# Altium PCB Science.PcbDoc (part 2 of 2)
Units mil, origin at the board's own origin, x right, y up, seen from the top; angles counter-clockwise.
Board outline 3390 x 2510 mil, 4 copper layers (Top Layer, Ground, Power, Bottom Layer), stack 23.756 mil thick; 120 components, 71 nets, 397 pads, 310 vias.
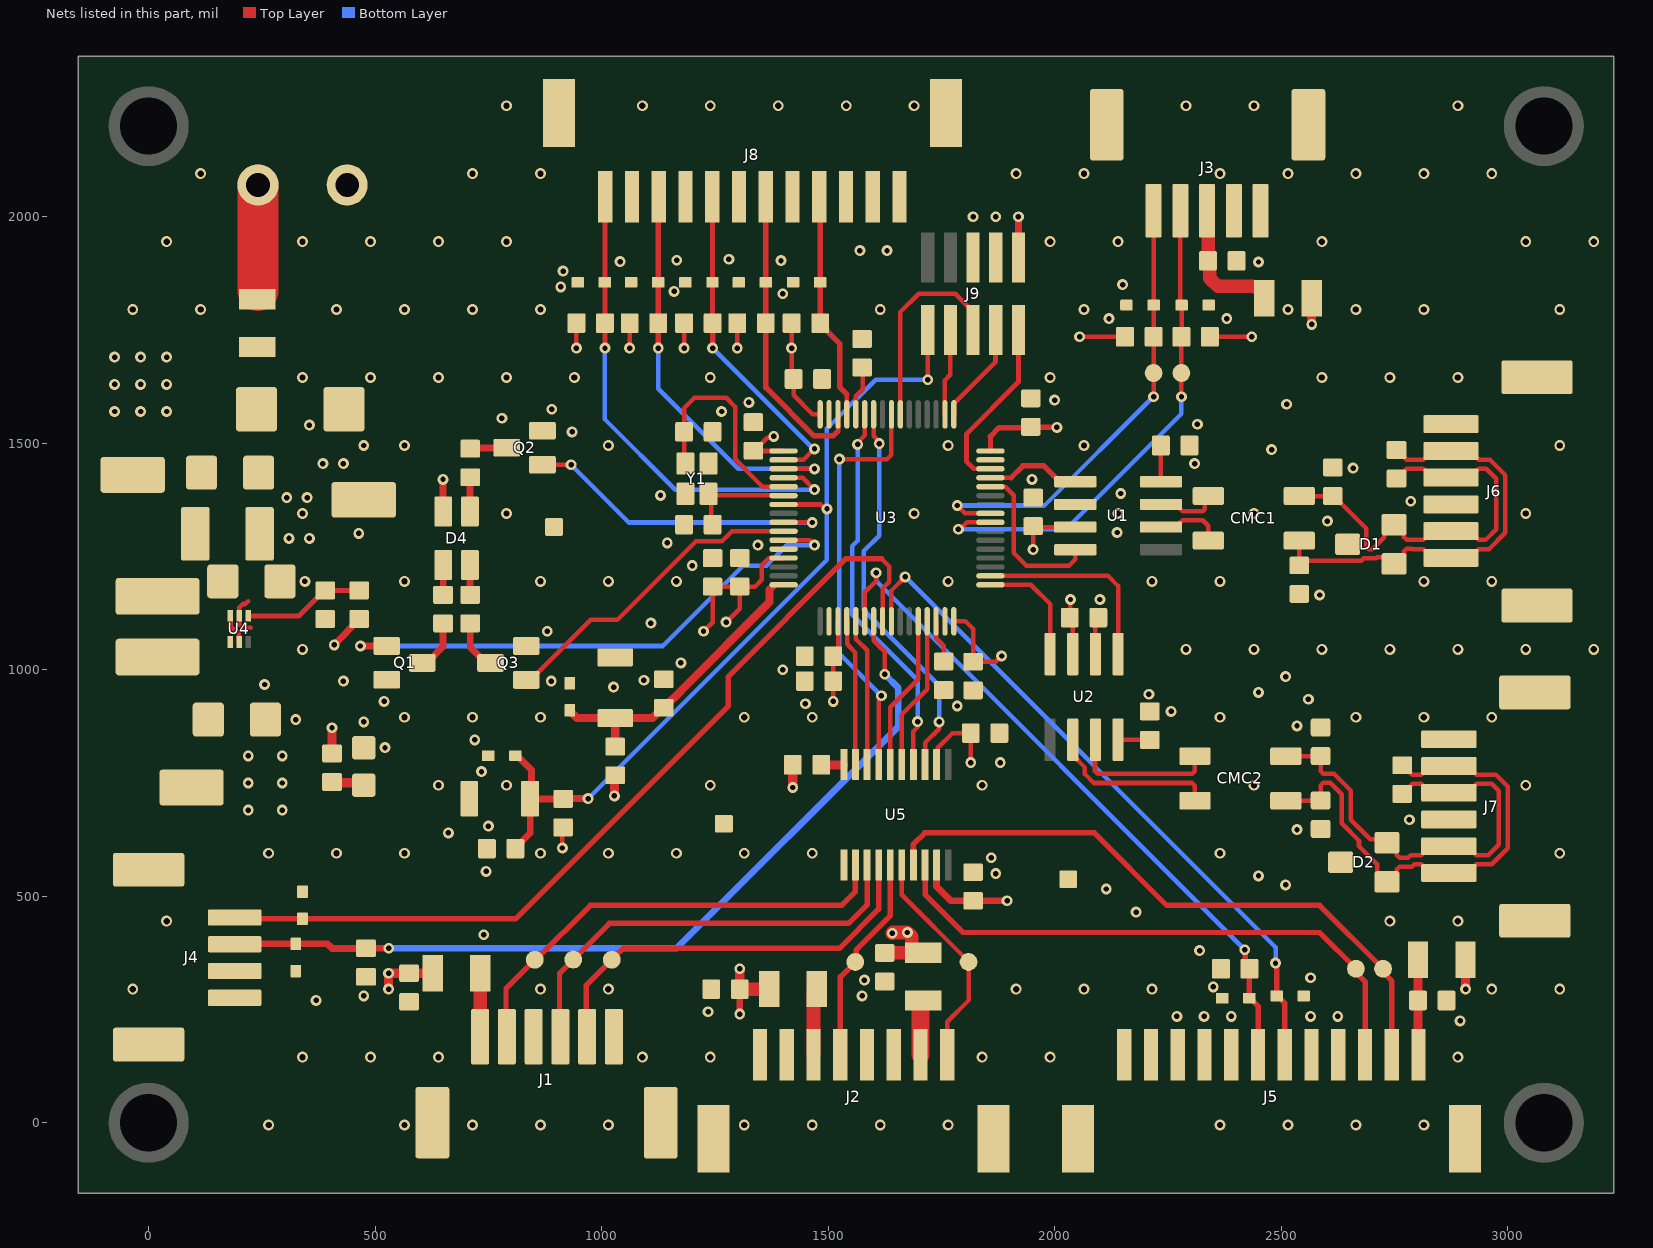
[diagram p4: the nets of this part, all layers, seen from the top]

## Part data (continued)
U3: library part MCU_STM32F446RET6, "ARM Cortex-M4 32-bit MCU+FPU, 512 KB Flash, 128 KB Internal RAM, 50 I/Os, 64-Pin LQFP, -40 to 85 degC, Tray", I/Os (High Current)=50, Operating Frequency(F) (Processor speed) (MHz)=180, Package Description=LQFP64, Package Reference="64-Pin Low-profile Quad Flat Package, Body 10 x 10 mm, Pitch 0.5 mm", Supplier Part Number 1=497-15376-ND, Supply Voltage(Vcc) min (V)=1.7, ComponentLink1Description="Manufacturer URL", ComponentLink1URL=http://www.st.com/, ComponentLink2Description=Datasheet, ComponentLink2URL=http://www.st.com/st-web-ui/static/active/en/resource/technical/document/datasheet/DM00141306.pdf, Core="ARM Cortex-M4", D/A Converter=2, DatasheetVersion="Rev. 6", FLASH Size (Prog) (kB)=512, Internal RAM Size (kB)=128, Mounting Technology="Surface Mount", Packing=Tray, Supplier 1=Digi-Key
U4: "IC REG BUCK ADJUSTABLE 2A SOT563", Manufacturer 1="Texas Instruments", Package="SOT-563, SOT-666", Supplier Part Number 1=296-50407-1-ND, Switching Frequency=1.5MHz, Iout=1A, Iout (Max)=2A, Manufacturer Part Number 1=TLV62568ADRLR, Supplier 1=Digi-Key, Vin (Max)=5.5V, Vin (Min)=2.5V, Vout (Max)=5.5V, Vout (Min/Fixed)=0.6V
U5: library part IC_LVL_SHIFTER_8_CH, "IC BIDIRECTIONAL LEVEL SHIFTER 8 CHANNEL 20TSSOP", Manufacturer="Texas Instruments", Supplier Part Number 1=296-23011-1-ND, ComponentLink1Description="New link", Manufacturer Part Number 1=TXS0108EPWR, Supplier 1=Digi-Key
Y1: "CRYSTAL 25.0000MHZ 12PF SMD", Case/Package=SMD/SMT, ESR (Equivalent Series Resistance)=80R, Frequency=25MHz, Frequency Stability=15ppm, Frequency Tolerance=10ppm, Load Capacitance=12pF, Manufacturer 1="Kyocera AVX", Manufacturer Part Number 1=CX2520DB25000H0FLJC1, Max Operating Temperature=85°C, Min Operating Temperature=-30°C, Ratings=AEC-Q200, Supplier Part Number 1=1253-1724-1-ND, Height=0.022inch, Length=0.098inch, Mount="Surface Mount", Supplier 1=Digi-Key, Width=0.079inch

## Via types
v1: diameter 24, hole 12, Top Layer to Bottom Layer, tented both sides, 174 vias
v2: diameter 24, hole 14, Top Layer to Bottom Layer, tented both sides, 136 vias

## Nets (pads, with @x,y where several pads share a name; then routed paths per layer and width w, separated by ;. In a path a pad name is that pad's centre, name@x,y a point inside that pad or via, vN(x,y) a via of type N, cw(c..) or ccw(c..) an arc to the next point about the centre after c; other vN are vias at no path point)
3V3: C1.1 C4.1 C11.2 C12.2 C14.2 C15.2 C16.2 C17.2 C18.2 C19.2 C20.2 C21.2 C24.2 D4.4 F2.2 J9.1 L1.2 R5.2 R6.2 R9.2 R10.2 R11.2 R12.2 R13.2 R19.2 R20.2 R21.2 R22.2 R24.1 TP4.1 U1.3 U2.3 U3.1 U3.13 U3.19 U3.32 U3.48 U3.64 U5.2 | length 2683.3
  Top Layer w10: D4.4@650,1349.74 D4.4@650.47,1349.26 ; v1(913.41,606.59) 913.41,650.42 R19.2@915,652.01 ; v1(944.51,1710) R9.2@944.51,1765 ; R20.2@1028.41,765.62 R20.2@1030,767.22 ; v1(1062.01,1710) R10.2@1062.01,1765.21 ; v1(1182.01,1710) R11.2@1182.01,1765 ; v1(1225,1085) 1245,1105 C12.2@1245,1183.5 C19.2@1305,1183.5 ; v1(1275,1105) 1305,1135 C19.2@1305,1183.5 ; v1(1299.51,1710) R12.2@1299.51,1765 ; v1(1380,1515) 1377.32,1512.32 1365.79,1512.32 1336.97,1483.5 C11.2@1335,1483.5 1335.66,1482.85 U3.1@1401.65,1482.85 ; U3.13@1401.65,1246.63 1401.31,1246.28 1368.67,1246.28 1353.38,1231 1353.38,1198.35 1338.53,1183.5 C19.2@1305,1183.5 ; R13.2@1419.51,1765 v1(1419.51,1710) 1419.51,1646.14 C14.2@1423.83,1641.82 1423.83,1605.99 1466.27,1563.55 U3.64@1482.36,1563.55 ; v1(1511.5,930) C16.2@1511.5,975 C18.2@1511.5,1030 1522.51,1041.02 1522.51,1080 1521.73,1080.78 U3.19@1521.73,1106.86 ; U5.2@1739.57,791 1742.05,793.48 1742.05,827.55 1774.5,860 C24.2@1815,860 v1(1815,795) ; U3.32@1777.64,1106.86 1803.14,1106.86 1820,1090 C17.2@1820,1017.5 1870,1017.5 v1(1882.84,1030.34) ; v1(1952.5,1265) C1.1@1952.5,1317.01 1954.51,1315 2040.72,1315 2043.22,1312.5 U1.3@2045.72,1315 ; v1(2035,1155) 2035,1116.5 C4.1@2033.5,1115 2040,1108.5 U2.3@2040,1034.49 ; v1(2055,1735) R6.2@2146.8,1735 ; R5.2@2342.78,1735 v1(2435,1735)
  Top Layer w11: U3.48@1858.35,1482.85 1858.35,1515.35
  Top Layer w12: 1858.35,1515.35 1877.19,1534.19 C15.2@1946.69,1534.19 ; C15.2@1948.31,1536.88 C15.2@1947.5,1536.07 1948.57,1535 v1(2005,1535)
  Top Layer w15: v1(410,1055) 410,1056.11 R22.2@465.45,1111.56 ; D4.4@650,1349.74 v1(650,1420) ; J9.1@1920,1910 v1(1920,2000)
  Top Layer w20: R21.2@405,815.21 v1(405,872) ; v1(1028.41,721.59) R20.2@1028.41,765.62 ; v1(1422.01,740) R24.1@1422.01,790 ; v1(2567.45,1762.41) F2.2@2567.45,1819.91
  other v1: 220,690 295,690 220,750 295,750 220,810 295,810
5V0: C22.2 C23.2 C25.2 C26.2 C28.2 C29.2 D6.1 F1.2 F3.1 F4.1 F5.2 F6.2 TP3.1 U4.3 U4.5 U5.19 | length 834.2
  Top Layer w10: U4.3@180.32,1119.14 180.9,1118.56 180.9,1095.36 186.76,1089.5 189.57,1089.5 199.42,1079.65 199.42,1061.85 U4.5@200,1061.27
  Top Layer w15: v1(1305,240) C28.2@1305,295 ; F4.1@1369.79,295 F4.1@1370,295.21 ; U5.19@1739.57,569 1739.57,521.43 1771,490 C25.2@1820,490 v1(1895,490)
  Top Layer w20: v1(530,295) v1(530,330) C26.2@575,330 F1.2@627.5,330 ; C28.2@1305,295 v1(1305,340) ; v1(2907.01,295) F5.2@2907.01,360
  Top Layer w30: C28.2@1305,295 F4.1@1369.79,295 ; C29.2@1625,375 F3.1@1709.11,375 ; v1(1641.59,418.41) 1643.18,420 v1(1675,420) 1685,410 1685,382.5 1692.5,375 F3.1@1709.11,375 ; F3.1@1710,375 F3.1@1709.11,375
  other v1: -75,1570 -17.5,1570 40,1570 -75,1630 -17.5,1630 40,1630 -75,1690 -17.5,1690 40,1690
CAN1_N: CMC1.1 U1.6 | length 149.7
  Top Layer w10: U1.6@2234.7,1315 2269.15,1315 2276.45,1322.3 2276.45,1324.14 2282.31,1330 2327,1330 2339.21,1317.79 CMC1.1@2339.21,1285
CAN1_P: CMC1.3 U1.7 | length 138.1
  Top Layer w10: U1.7@2234.7,1365 2269.15,1365 2276.45,1357.7 2276.45,1355.86 2282.31,1350 2327,1350 2331.6,1354.6 2331.6,1375.81 CMC1.3@2339.21,1383.43
CAN2_N: CMC2.1 U2.6 | length 373.5
  Top Layer w10: U2.6@2040,845.51 2040,811.06 2067.01,784.05 2067.01,769.71 2086.72,750 2303.75,750 2309.61,744.14 CMC2.1@2309.61,710.79
CAN2_P: CMC2.3 U2.7 | length 328.7
  Top Layer w10: U2.7@2090,845.51 2089.14,844.65 2089.14,775.86 2095,770 2303.75,770 2309.61,775.86 CMC2.3@2309.61,809.21
CANA_N: C2.2 CMC1.5 D1.1 J6.1 J6.5 R25.2 | length 972.8
  Top Layer w10: CMC1.5@2540,1285 C2.2@2540,1230.5 2549.88,1240.38 2677,1240.38 2682.62,1246.01 2709.8,1246.01 2712.48,1248.68 2734.19,1248.68 D1.1@2749.18,1233.69 2752.58,1233.69 2771.2,1252.32 2771.2,1261.14 2777.06,1267 2788.3,1267 2788.88,1266.42 2814.13,1266.42 2833.66,1246.89 J6.1@2875,1246.89 2916.34,1246.89 2935.87,1266.42 2959.31,1266.42 2995,1302.11 2995,1429.7 2961.12,1463.58 2935.87,1463.58 2916.34,1483.11 J6.5@2883.28,1483.11 ; R25.2@2754.59,1485 2756.56,1485 2771.24,1470.31 2771.24,1469.36 2777.1,1463.5 2788.8,1463.5 2788.88,1463.58 2814.13,1463.58 2833.66,1483.11 J6.5@2875,1483.11
CANA_P: C3.2 CMC1.4 D1.2 J6.2 J6.4 R25.1 | length 946.9
  Top Layer w10: CMC1.4@2540,1383.43 2613.92,1383.43 C3.2@2614,1383.5 2615.97,1383.5 2687.38,1312.09 2687.38,1271.86 2693.24,1266.01 2701.52,1266.01 2727.77,1292.25 2727.77,1301.68 2746.39,1320.31 D1.2@2749.18,1320.31 2752.58,1320.31 2771.2,1301.68 2771.2,1292.86 2777.06,1287 2796.58,1287 2797.16,1286.42 2814.13,1286.42 2833.66,1305.94 J6.2@2875,1305.94 2916.34,1305.94 2935.87,1286.42 2951.02,1286.42 2975,1310.39 2975,1421.42 2952.84,1443.58 2935.87,1443.58 2916.34,1424.06 J6.4@2875,1424.06 2833.66,1424.06 2814.13,1443.58 2797.16,1443.58 2797.08,1443.5 2777.1,1443.5 2771.24,1437.65 2771.24,1436.69 2756.56,1422.01 R25.1@2754.59,1422.01
CANA_UART.CAN_RX_A: U1.4 U3.44 | length 361.4
  Top Layer w10: U3.44@1858.35,1404.11 1858.69,1403.76 1891.33,1403.76 1909.77,1385.32 1909.77,1257.73 1937.5,1230 2032.35,1230 2045.72,1243.37 U1.4@2045.72,1265
CANA_UART.CAN_TX_A: U1.1 U3.45 | length 212.7
  Top Layer w10: U3.45@1858.35,1423.79 1903.79,1423.79
  Top Layer w12: 1903.79,1423.79 1930,1450 1976.27,1450 2011.27,1415 U1.1@2045.72,1415
CANB_N: C5.2 CMC2.5 D2.1 J7.1 J7.5 R26.2 | length 1131.6
  Top Layer w10: CMC2.5@2510.39,710.79 2586.08,710.79 C5.2@2587,711.71 ; C5.2@2587,711.5 C5.2@2587,711.71 ; C5.2@2588,711.5 2587.39,712.1 C5.2@2587,711.71 ; R26.2@2767,789 2768.97,789 2783.65,774.31 2783.65,773.93 2789.51,768.07 2809.38,768.07 2828.91,787.6 J7.5@2870.24,787.6 2911.58,787.6 2931.11,768.07 2974.21,768.07 2994.57,747.71 3000,742.28 3000,605.72 2965.19,570.91 2931.11,570.91 2911.58,551.38 J7.1@2870.24,551.38 2828.91,551.38 2809.38,570.91 2794.22,570.91 2788.32,565 2761.56,565 2755.7,559.14 2755.7,550.32 2737.08,531.69 D2.1@2733.68,531.69 2730.29,531.69 2711.66,550.32 2711.66,570.32 2671.88,610.1 2671.88,622.66 2633.65,660.89 2633.65,725.09 2608.24,750.5 2592.86,750.5 2587,744.64 C5.2@2587,711.71
CANB_P: C6.2 CMC2.4 D2.2 J7.2 J7.4 R26.1 | length 1017.3
  Top Layer w10: CMC2.4@2510.39,809.21 2586.71,809.21 C6.2@2587,809.5 2587,776.36 2592.86,770.5 2616.53,770.5 2653.65,733.37 2653.65,669.17 2696.98,625.84 2726.15,625.84 D2.2@2733.68,618.31 2737.08,618.31 2755.7,599.68 2755.7,590.86 2761.56,585 2780.03,585 2785.94,590.91 2809.38,590.91 2828.91,610.43 J7.2@2870.24,610.43 2911.58,610.43 2931.11,590.91 2956.91,590.91 2980,614 2980,733.14 2965.07,748.07 2931.11,748.07 2911.58,728.54 J7.4@2870.24,728.54 2828.91,728.54 2809.38,748.07 2790.08,748.07 2783.65,741.65 2783.65,740.69 2768.97,726.01 R26.1@2767,726.01
CANB_UART.CAN_RX_B: U2.4 U3.33 | length 259.8
  Top Layer w10: U3.33@1858.35,1187.57 1947.43,1187.57 1990,1145 U2.4@1990,1034.49
CANB_UART.CAN_TX_B: U2.1 U3.34 | length 441.4
  Top Layer w10: U3.34@1858.35,1207.26 2117.75,1207.26 2140,1185 U2.1@2140,1034.49
DIR_CENTRIFUGE: D8.2 J4.1 U3.24 | length 1946.7
  Top Layer w10: 1618,1245 1635,1228 1635,1194 1620.16,1179.16 U3.24@1620.16,1106.86
  Top Layer w12: J4.1@190,450 339.68,450 810,450 1280,920 1280,985 1540,1245 1618,1245
DIR_LIFT: D11.2 J5.6 U3.25 | length 1513.7
  Top Layer w10: U3.25@1639.84,1106.86 1639.84,1174.84 v1(1670,1205)
  Top Layer w12: v1(2487.58,352.42) 2490.16,349.84 D11.2@2490.16,280 2491.74,280 2508.11,263.63 J5.6@2508.11,150
  Bottom Layer w10: v1(1670,1205) 2487.58,387.42 v1(2487.58,352.42)
GND: C1.2 C2.1 C3.1 C4.2 C5.1 C6.1 C7.1 C8.1 C9.1 C10.1 C11.1 C12.1 C13.1 C14.1 C15.1 C16.1 C17.1 C18.1 C19.1 C20.1 C21.1 C22.1 C23.1 C24.1 C25.1 C26.1 C27.1 C28.1 C29.1 C30.1 D1.3 D2.3 D3.1 D5.2 D6.2 D7.1 D8.1 D9.1 D10.1 D11.1 D12.1 D13.1 D14.1 D15.1 D16.1 D17.1 D18.1 J1.0 J1.3 J1.6 J2.0 J2.3 J2.4 J2.7 J2.8 J3.0 J3.1 J3.2 J4.0 J4.3 J4.4 J5.0 J5.4 J5.5 J5.8 J5.9 J5.10 J5.11 J5.12 J6.0 J6.3 J6.6 J7.0 J7.3 J7.6 J8.0 J8.2 J8.4 J8.6 J8.8 J8.10 J8.11 J8.12 J9.3 J9.5 J10.1 Q1.2 Q2.2 Q3.2 R2.1 R4.1 R7.1 R8.1 R18.2 R23.1 S1.2 S2.1 TP6.1 TP7.1 TP8.1 TP9.1 U1.2 U2.2 U3.12 U3.18 U3.31 U3.47 U3.63 U4.2 U5.11 Y1.2 Y1.4 | length 193.7
  Top Layer w10: 219.68,1151.03 213.79,1145.14 208.2,1145.14 200.58,1137.52 200.58,1119.73 U4.2@200,1119.14 200.58,1118.56 200.58,1100.77 208.2,1093.15 225.55,1093.15 ; D6.2@431.46,1575 D6.2@438.43,1581.97 ; D17.1@748.42,810.21 D17.1@750,810.21 ; Q2.2@869.37,1527.4 Q2.2@871.77,1525 ; C14.1@1486.37,1641.37 C14.1@1486.82,1641.82 ; U2.2@2090,1034.49 2090,1108.5 C4.2@2096.5,1115 C4.2@2100,1118.5
  other v1: 2895,225 2270,235 2330,235 2390,235 2565,235 2625,235 1235,245 370,270 475,280 1575,280 2350,300 1580,315 2565,320 2320,380 740,415 2180,465 2114,516 2510,525 2450,545 1870,550 745,555 1860,585 662,640 2535,647 750,655 2783,669 735,775 1880,795 522,828 720,845 2535,876 475,885 325,890 2257,908 1785,920 1450,925 520,930 2560,935 2208,946 2450,950 1026.49,961.55 256.34,967.38 430,975 889,975 1093.47,976.72 2510,985 1400,1000 1175,1015 880,1085 1109,1103 2100,1155 2585,1165 345,1195 1200,1230 1345,1275 1145,1280 310,1290 355,1290 464,1301 2138,1303 2602,1328 2786,1372 305,1380 350,1380 1130,1385 2146,1389 1950,1420 2659,1445 385,1455 430,1455 2309,1455 2479,1486 475,1495 935,1525 355,1540 2315,1542 780,1555 1265,1570 890,1575 2512,1586 1325,1590 2000,1595 2120,1775 2380,1775 1400,1830 1160,1835 910,1845 2150,1850 915,1880 2450,1900 1041,1901 1396,1903 1166,1904 1281,1906 1570,1925 1630,1925 1820,2000 1870,2000
  other v2: 265,-5 565,-5 715,-5 865,-5 1015,-5 1315,-5 1465,-5 1615,-5 1765,-5 2365,-5 2515,-5 2665,-5 2815,-5 340,145 490,145 640,145 1090,145 1240,145 1840,145 1990,145 2890,145 -35,295 865,295 1015,295 1915,295 2065,295 2215,295 2965,295 3115,295 40,445 2740,445 2890,445 265,595 415,595 565,595 865,595 1015,595 1165,595 1315,595 1465,595 2365,595 3115,595 640,745 790,745 1240,745 1840,745 2440,745 3040,745 565,895 715,895 865,895 1315,895 1465,895 2365,895 2665,895 2815,895 2965,895 340,1045 2290,1045 2440,1045 2590,1045 2740,1045 2890,1045 3040,1045 3190,1045 565,1195 865,1195 1015,1195 1165,1195 1765,1195 2215,1195 2365,1195 2815,1195 2965,1195 340,1345 790,1345 1690,1345 2140,1345 2440,1345 3040,1345 565,1495 1015,1495 1765,1495 2065,1495 3115,1495 340,1645 490,1645 640,1645 790,1645 940,1645 1240,1645 1990,1645 2590,1645 2740,1645 2890,1645 -35,1795 115,1795 415,1795 565,1795 715,1795 865,1795 1615,1795 2065,1795 2515,1795 2665,1795 2815,1795 3115,1795 40,1945 340,1945 490,1945 640,1945 790,1945 1990,1945 2140,1945 2590,1945 3040,1945 3190,1945 115,2095 715,2095 865,2095 1915,2095 2065,2095 2365,2095 2515,2095 2665,2095 2815,2095 2965,2095 790,2245 1090,2245 1240,2245 1390,2245 1540,2245 1690,2245 2290,2245 2440,2245 2890,2245
I2C_SCL: D7.2 J3.5 R6.1 TP2.1 U3.41 | length 1024.2
  Top Layer w10: v1(1785,1362.5) 1802.1,1345.4 1858,1345.4 U3.41@1858.35,1345.05 ; v1(2218.46,1602.5) TP2.1@2218.46,1655 R6.1@2218.46,1735 D7.2@2218.46,1805 J3.5@2218.46,2013.24
  Bottom Layer w10: v1(1785,1362.5) 1977.5,1362.5 2217.5,1602.5 v1(2218.46,1602.5)
I2C_SDA: D3.2 J3.4 R5.1 TP1.1 U3.40 | length 1127.5
  Top Layer w10: v1(1787.5,1310) 1791.29,1310 1806.65,1325.37 U3.40@1858.35,1325.37 ; J3.4@2277.52,2013.24 2277.52,1807.64 D3.2@2280.16,1805 ; v1(2280,1602.5) 2279.9,1602.6 2279.9,1654.9 TP1.1@2279.79,1655 R5.1@2279.79,1735 2280.16,1735.37 D3.2@2280.16,1805 ; D3.2@2280.16,1807.56 D3.2@2280.16,1805
  Bottom Layer w10: v1(1787.5,1310) 2025,1310 2280,1565 v1(2280,1602.5)
JTDI: J9.8 U3.50 | length 231.9
  Top Layer w10: U3.50@1757.95,1563.55 1757.95,1638.79 1770,1650.84 J9.8@1770,1750 J9.8@1770,1790.5
JTDO/TRACESWO: J9.6 U3.55 | length 460.1
  Top Layer w10: U3.55@1659.53,1563.55 1659.53,1789.53 1700,1830 1780.5,1830 1820,1790.5 J9.6@1820,1750
LED_B_n: Q1.1 U3.11 | length 1225.6
  Top Layer w10: Q1.1@525.42,1052.4 Q1.1@525.63,1052.61 ; U3.11@1401.65,1286 1402,1285.65 1459.35,1285.65 v1(1470,1275)
  Top Layer w15: v1(467.6,1052.4) Q1.1@525.42,1052.4
  Bottom Layer w10: v1(467.6,1052.4) 1135,1052.4 1312.6,1230 1364,1230 1409,1275 v1(1470,1275)
LED_G_n: Q3.1 U3.10 | length 704.1
  Top Layer w10: Q3.1@833.74,977.6 843.58,977.6 975.98,1110 1035,1110 1208.18,1283.18 1265.39,1283.18 1287.89,1305.68 1400.96,1305.68 1401.31,1305.33 U3.10@1401.65,1305.68
LED_R_n: Q2.1 U3.9 | length 712
  Top Layer w10: Q2.1@869.37,1452.6 869.57,1452.4 v1(932.6,1452.4) ; U3.9@1401.65,1325.37 1401.84,1325.18 1464.82,1325.18 v1(1465,1325)
  Bottom Layer w10: v1(932.6,1452.4) 1060,1325 v1(1465,1325)
LIFT_ENC_CHANNEL_A_3V3: U3.58 U5.3 | length 875
  Top Layer w10: U3.58@1600.47,1563.55 1600.47,1515.82 1614.84,1501.45 1614.84,1501.09 v1(1612.84,1499.09) ; U5.3@1713.98,791 1713.98,838.98 1745,870 v1(1745,885)
  Bottom Layer w10: v1(1612.84,1499.09) 1612.84,1295.84 1579,1262 1579,1131 1745,965 v1(1745,885)
LIFT_ENC_CHANNEL_A_5V: J5.3 TP10.1 U5.18 | length 1282.6
  Top Layer w12: U5.18@1713.98,569 1713.98,503.61 1797.58,420 2585,420 TP10.1@2665,340 2665,332.05 2685.28,311.78 J5.3@2685.28,150
LIFT_ENC_CHANNEL_B_3V3: U3.59 U5.4 | length 847.7
  Top Layer w10: v1(1565,1497.5) 1565,1501.29 1580.77,1517.06 U3.59@1580.77,1563.54 ; U5.4@1688.39,791 1688.39,864.6 1697.5,873.71 v1(1697.5,885.61)
  Bottom Layer w10: v1(1565,1497.5) 1565,1285 1553,1273 1553,1121.4 1697.5,976.9 v1(1697.5,885.61)
LIFT_ENC_CHANNEL_B_5V: J5.2 TP11.1 U5.17 | length 1415.2
  Top Layer w12: U5.17@1688.39,569 1688.39,615 1713.39,640 2087.5,640 2247.5,480 2585,480 TP11.1@2725,340 2725,332.05 2744.33,312.72 J5.2@2744.33,150
LIM_SW1: D12.2 J8.1 R9.1 U3.4 | length 1073.7
  Top Layer w10: U3.4@1401.65,1423.79 1443.71,1423.79 v1(1470,1397.5)
  Top Layer w12: v1@1007.5,1709.9 v1(1007.5,1710) R9.1@1007.5,1765 1007.5,2019.43 J8.1@1008.03,2019.96
  Bottom Layer w10: v1(1007.5,1710) 1007.5,1552.5 1162.5,1397.5 v1(1470,1397.5)
LIM_SW2: D13.2 J8.3 R10.1 U3.3 | length 887
  Top Layer w10: U3.3@1401.65,1443.48 v1(1470,1443.48)
  Top Layer w12: v1@1125,1707.4 v1(1125,1710) R10.1@1125,1765.21 1124.84,1765.37 D13.2@1124.84,1855 1124.84,2018.66 J8.3@1126.14,2019.96
  Bottom Layer w10: v1@1125,1707.4 1125,1620 1301.52,1443.48 v1(1470,1443.48)
LIM_SW3: D14.2 J8.5 R11.1 U3.2 | length 707.4
  Top Layer w10: U3.2@1401.65,1463.16 1445.66,1463.16 v1(1470,1487.5)
  Top Layer w12: J8.5@1244.25,2019.96 1244.84,2019.37 D14.2@1244.84,1855 1244.84,1765.16 R11.1@1245,1765 v1(1245,1710) v1@1245,1707.4
  Bottom Layer w10: v1@1245,1707.4 1247.55,1707.4 1467.45,1487.5 v1(1470,1487.5)
LIM_SW4: D15.2 J8.7 R12.1 U3.62 | length 641
  Top Layer w10: 1522,1525 U3.62@1522,1563.55
  Top Layer w12: J8.7@1362.5,2019.82 D15.2@1362.5,1855 R12.1@1362.5,1765 1362.5,1622.5 1468.69,1516.31 1511.31,1516.31 1520,1525
LIM_SW5: D16.2 J8.9 R13.1 U3.61 | length 481.2
  Top Layer w10: U3.61@1541.07,1563.9 1541.07,1608.44
  Top Layer w12: J8.9@1480.47,2019.96 1482.5,2017.93 D16.2@1482.5,1855 R13.1@1482.5,1765 1497.19,1750.31 1497.19,1747.82 1525.35,1719.65 1525.35,1624.16 1541.07,1608.44
NetC7_2: C7.2 U3.6 Y1.1 | length 238.8
  Top Layer w10: C7.2@1245,1320.21 1241.92,1323.29 1241.92,1382.54 Y1.1@1236.18,1388.28 1239.46,1385 1374.99,1385 1375.57,1384.42 U3.6@1401.65,1384.42
NetC8_2: C8.2 U3.5 Y1.3 | length 501.1
  Top Layer w10: Y1.3@1185,1455.21 1182.18,1458.03 1182.18,1525.04 C8.2@1182.01,1525.21 1182.01,1577.01 1205,1600 1275,1600 1295,1580 1295,1464.26 1355.16,1404.11 U3.5@1401.65,1404.11
NetC10_2: C10.2 U3.30 | length 95.6
  Top Layer w10: U3.30@1738.27,1106.86 1738.61,1106.52 1738.61,1069.27 1755,1052.89 C10.2@1755,1018.2
NetC13_2: C13.2 D18.2 R20.1 S2.2 U3.16 | length 658.5
  Top Layer w16: 1371,1177.03 U3.16@1379.16,1185.18
  Top Layer w18: D18.2@930,910.37 930,908.8 945.52,893.28 S2.2@1030,893.28 ; R20.1@1030,830.21 S2.2@1030,893.28 ; 1371,1177.03 1371,1149.5 1176.15,954.66 1176.15,954.58 1163.89,942.31 1163.81,942.31 1150.15,928.66 1150.15,926.69 1139.47,916 1135.53,916 1112.81,893.28 S2.2@1030,893.28
NetC27_2: C27.2 F2.1 J3.3 | length 299.8
  Top Layer w30: J3.3@2339.25,2013.24 2339.25,1903.25 C27.2@2338.5,1902.5 2342.47,1898.53 2342.47,1863.8 2360.05,1846.22 2437.43,1846.22 2438.65,1845 2455,1845 2462.5,1837.5 F2.1@2462.5,1820
NetC30_2: C30.2 F5.1 J5.1 | length 210.6
  Top Layer w15: J5.1@2802.01,151.38 J5.1@2803.39,150
  Top Layer w20: J5.1@2802.01,151.38 C30.2@2802.01,270 F5.1@2802.01,360
NetD4_1: D4.1 R16.2 | length 75.9
  Top Layer w10: R16.2@709.53,1424.53 R16.2@710,1425
  Top Layer w15: D4.1@709.53,1349.26 R16.2@709.53,1424.53
NetD4_2: D4.2 R17.1 | length 66.1
  Top Layer w10: R17.1@709.53,1165.68 R17.1@710,1165.21
  Top Layer w15: R17.1@709.53,1165.68 D4.2@709.53,1231.15
NetD4_3: D4.3 R15.1 | length 66.1
  Top Layer w10: R15.1@650,1165.21 R15.1@650.47,1165.68
  Top Layer w15: R15.1@650.47,1165.68 D4.3@650.47,1231.15
NetD5_1: D5.1 R21.1 | length 72.9
  Top Layer w10: R21.1@405,752.22 R21.1@406.63,750.58 ; D5.1@469.63,750.58 D5.1@475,745.21
  Top Layer w20: R21.1@406.63,750.58 D5.1@469.63,750.58
NetF1_1: F1.1 J1.1 | length 140.3
  Top Layer w10: F1.1@731.89,329.39 F1.1@732.5,330
  Top Layer w30: J1.1@731.89,190 F1.1@731.89,329.39
NetF3_2: F3.2 J2.2 | length 122.5
  Top Layer w15: F3.2@1704.06,264.06 F3.2@1710,270
  Top Layer w40: J2.2@1704.06,150 F3.2@1704.06,264.06
NetF4_2: F4.2 J2.6 | length 148.2
  Top Layer w15: F4.2@1467.83,288.04 F4.2@1475,295.21
  Top Layer w30: J2.6@1467.83,150 F4.2@1467.83,288.04
NetF6_1: F6.1 J10.2 | length 256.9
  Top Layer w10: F6.1@225,1820 F6.1@241.57,1836.57
  Top Layer w90: F6.1@241.57,1836.57 J10.2@241.57,2070
NetL1_1: L1.1 U4.4
NetQ1_3: Q1.3 R15.2 | length 111.7
  Top Layer w15: Q1.3@604.37,1015.21 614.21,1015.21 650,1051 R15.2@650,1102.22
NetQ2_3: Q2.3 R16.1 | length 81.5
  Top Layer w10: R16.1@710,1487.99 R16.1@711.5,1489.49 ; Q2.3@790.12,1489.49 Q2.3@790.63,1490
  Top Layer w15: R16.1@711.5,1489.49 Q2.3@790.12,1489.49
NetQ3_3: Q3.3 R17.2 | length 111.6
  Top Layer w15: R17.2@710,1102.22 710,1050.16 745.16,1015 Q3.3@755,1015
NetR2_2: R2.2 U1.8 | length 80.1
  Top Layer w10: R2.2@2234.51,1495 2234.51,1415.19 U1.8@2234.7,1415
NetR4_2: R4.2 U2.8 | length 70.2
  Top Layer w10: U2.8@2140,845.51 2140.51,845 R4.2@2210,845
NetR18_1: R18.1 U3.60 | length 110.4
  Top Layer w10: U3.60@1561.1,1563.55 1561.1,1604.1 1576.4,1619.39 1576.4,1665.61 R18.1@1575,1667.01
NetR22_1: R22.1 R23.2 U4.1 | length 268.5
  Top Layer w11: U4.1@219.68,1119.14 332.18,1119.14 388.03,1175 R23.2@390,1175 R22.1@465,1175
NetR24_2: R24.2 U5.10 | length 50.3
  Top Layer w10: U5.10@1533.84,790 U5.10@1534.84,791
  Top Layer w20: R24.2@1485,790 U5.10@1533.84,790
NRST: C9.2 D17.2 J9.10 R19.1 S1.1 U3.7 | length 1877.5
  Top Layer w10: U3.7@1401.65,1364.74 1483.98,1364.74 1493.71,1355 v1(1497.5,1355) ; v1(1720,1640) J9.10@1720,1750
  Top Layer w15: C9.2@809.84,605 809.84,606.97 842.5,639.63 842.5,714.64 S1.1@841.93,715.21 845,718.28 845,778.78 816.44,807.33 812.71,807.33 D17.2@809.84,810.21 ; S1.1@842.14,715 R19.1@915,715 915.49,715.49 v1(970.1,715.49)
  Bottom Layer w10: v1(970.1,715.49) 1497.5,1242.89 v1(1497.5,1355) 1497.5,1532.5 1605,1640 v1(1720,1640)
PWM_CENTRIFUGE: D9.2 J4.2 R7.2 U3.23 | length 1881.9
  Top Layer w10.5: U3.23@1600.47,1106.86 1600.82,1106.52 1600.82,1064.18 1625,1040 v1(1625,990)
  Top Layer w15: J4.2@237.97,395 394.84,395 400.55,389.29 402.13,389.29 405,386.41 405,384.84 479.63,384.84 R7.2@480,385.21 v1(530.1,385.21)
  Bottom Layer w15: v1(530.1,385.21) 1165.21,385.21 1655,875 1655,960 v1(1625,990) v1@1623.41,988.41
PWM_LID_3V3: U3.29 U5.5 | length 339
  Top Layer w10: U5.5@1662.8,791 1662.8,901.09 1718.58,956.88 U3.29@1718.58,1106.86
PWM_LID_5V: J2.1 TP12.1 U5.16 | length 499.4
  Top Layer w10: U5.16@1662.8,569 1662.8,503.09 1810,355.88 TP12.1@1810,355 1810,270 1763.11,223.11 J2.1@1763.11,150
PWM_LIFT: D10.2 J5.7 R8.2 U3.22 | length 1531.8
  Top Layer w10: U3.22@1580.79,1106.86 1581.13,1107.21 1581.13,1171.13 1606,1196 v1(1606,1214)
  Top Layer w12: v1(2419.76,382.05) 2421.12,380.7 2421.12,348.88 R8.2@2430,340 2429.84,339.84 D10.2@2429.84,275 2431.41,275 2449.06,257.36 J5.7@2449.06,150
  Bottom Layer w10: v1(1606,1214) 1606,1195.82 v1(2419.76,382.05)
PWM_SHOVEL_3V3: U3.28 U5.6 | length 341.4
  Top Layer w10: U5.6@1637.2,791 1637.2,917.2 1698.9,978.9 U3.28@1698.9,1106.86
PWM_SHOVEL_5V: J2.5 TP13.1 U5.15 | length 464.7
  Top Layer w12: J2.5@1526.89,150 1526.89,321.89 1562.15,357.15 1562.15,382.15 1637.2,457.2 U5.15@1637.2,569
SPI_CS_3V3: U3.20 U5.9 | length 323.7
  Top Layer w10: U3.20@1541.42,1106.86 1541.76,1106.52 1541.76,1057.15 1544.18,1054.73 1544.18,1053.82 1560.43,1037.57 U5.9@1560.43,791
SPI_CS_5V: J1.2 TP16.1 U5.12 | length 1060.4
  Top Layer w12: J1.2@789.06,154.72 789.06,296.56 TP16.1@852.5,360 855,360 975,480 1530,480 1560,510 1560,568.57 U5.12@1560.43,569
SPI_MISO_3V3: U3.56 U5.7 | length 922.4
  Top Layer w10: v1(1525,1465) 1630,1465 1639.84,1474.84 U3.56@1639.84,1563.55 ; U5.7@1611.61,791 1611.61,932.83 1617.5,938.71 v1(1617.5,942.5)
  Bottom Layer w10: v1(1525,1465) 1525,1035 v1(1617.5,942.5)
SPI_MISO_5V: J1.5 TP14.1 U5.14 | length 961.3
  Top Layer w12: J1.5@966.22,154.72 966.22,303.72 TP14.1@1022.5,360 1047.5,385 1525,385 1611.61,471.61 U5.14@1611.61,569
SPI_SCK_3V3: U3.21 U5.8 | length 326.2
  Top Layer w10: U3.21@1561.1,1106.86 1561.45,1106.52 1561.45,1067.39 1586.02,1042.81 U5.8@1586.02,791
SPI_SCK_5V: J1.4 TP15.1 U5.13 | length 1004.6
  Top Layer w12: J1.4@907.17,154.72 907.17,329.87 TP15.1@937.5,360.21 1017.29,440 1545,440 1586.02,481.02 U5.13@1586.02,569
SWD_CLK: J9.4 U3.49 | length 225.3
  Top Layer w11: U3.49@1777.64,1563.55 1777.64,1588.66 1778.47,1589.49 1779.49,1589.49 1870,1680 J9.4@1870,1750
SWD_IO: J9.2 U3.46 | length 397.8
  Top Layer w10: 1805,1460 1821.52,1443.48 U3.46@1858.35,1443.48
  Top Layer w11: 1805,1460 1805,1520 1920,1635 J9.2@1920,1750
pads on no net: H1.0 H2.0 H3.0 H4.0 J9.7 J9.9 U1.5 U2.5 U3.8 U3.14 U3.15 U3.17 U3.26 U3.27 U3.35 U3.36 U3.37 U3.38 U3.39 U3.42 U3.43 U3.51 U3.52 U3.53 U3.54 U3.57 U4.6 U5.1 U5.20

## Polygon pours and split planes (outlines as drawn)
GND on Top Layer "Top - GND" (solid, remove dead copper, pour order 28): -155.5,2354.5 3233,2354.5 3235,2352.5 3231.25,2348.75 3231.25,-152.5 -157.5,-152.5
3V3 on Top Layer "Top Layer-3V3" (solid, remove dead copper, pour order 27): 365,645 365,835 180,835 180,960 170,970 -80,970 -80,1076 115,1076 115,1219.5 125,1219.5 125,1365 -155.5,1365 -155.5,675.5 -125,645
5V0 on Top Layer "Top Layer-5V0" (solid, remove dead copper, pour order 19): 301,1482 318,1499 318,1757 310,1765 -132.86,1765 -155.5,1742.36 -155.5,1380 135,1380 135,1091 140,1086 183,1086 190,1093 190,1153.8 203,1161.6 203,1380 203,1482
NetL1_1 on Top Layer "NETL1_1_L01_P021" (solid, remove dead copper, pour order 21): -72,969 185,969 185,1075 -72,1073.33
3V3 on Power "L3 - 3V3" (solid, remove dead copper, pour order 29): -156.25,2353.75 3233.75,2353.75 3233.75,-146.25 3227.5,-152.5 -157.5,-152.5
5V0 on Power "L3 - 5V" (solid, remove dead copper, pour order 11): 3234.5,350 3234.5,525.06 149.29,524.95 90,571.06 90,1720 70,1740 -155.5,1740 -155.5,170 -158.06,-161 3234.5,-152.5
GND on Ground "L2 - GND" (solid, remove dead copper, pour order 7): -156.25,2353.75 3231.25,2353.75 3232.5,2355 3235,2352.5 3235,-152.5 -157.5,-152.5
GND on Bottom Layer "L4 - GND" (solid, remove dead copper, pour order 10): -156.25,2353.75 3231.25,2353.75 3231.25,-148.75 3235,-152.5 -157.5,-152.5

## Keep-outs
Keep-Out Layer:
  lines w10: -155.5,-155 3234.5,-155 3234.5,2354.5 -155.5,2354.5 -155.5,-155

## Silkscreen, mask and mechanical layers (free items; w line width, h text height)
Top Overlay:
  drawing of 32 lines, arcs and shapes, not listed
  text "5V" at 195,2275.67 h60
  text "GND" at 415,2275.67 h60
  text "POWER" at 570,2140 h60
  text "LIMIT SWITCHES" at 1810,2140 h50
  text "STEMMA MOISTURE SENSOR" at 2610,2110 h60
  text "SCIENCE-REV 2           NOV 2020                                       WOLFGANG WINDHOLTZ" at 2693,1871 h60
  text "CAN BUS A" at 2955,1705 h60
  text "SDA" at 2320,1640.67 h60
  text "SCL" at 2080,1635.67 h60
  text "5V0" at -80,1505.67 h60
  text "GND" at 480,1425.67 h60
  text "GND" at 835,1250.67 h60
  text "RESET" at 550,780.67 h60
  text "3.3V" at -110,720.67 h60
  text "GND" at 1211,693.67 h60
  text "GND" at 1970,570.67 h60
  text "LIFT_ENC_B" at 2210,475.66 h60
  text "PWM_SHOVEL" at 1200,455.66 h60
  text "PWM_LID" at 1915,441.91 h60
  text "LIFT_ENC_A" at 2210,410.66 h60
  text "CS" at 869.33,400 h60 r90
  text "SCK" at 954.33,400 h60 r90
  text "MISO" at 1044.33,400 h60 r90
  text "CAN BUS B" at 3000,310 h60
  text "LIFT MOTOR AND LIFT ENCODER" at 2951.25,108.75 h40
  text "CENTRIFUGE MOTOR" at 125,35 h60
  text "CENTRIFUGE ENCODER" at 240,-130 h60
Bottom Overlay:
  drawing of 44 lines, arcs and shapes, not listed
  text "SCIENCE-REV 2           NOV 2020                                       WOLFGANG WINDHOLTZ" at 1020,90 h100
Mechanical 2:
  lines w10: 3231.99,2354.5 3233,2353.49 3234.01,2353.49

## Text inside footprints (layer, text, board x,y; h text height)
L1: Mechanical 13 "*" at 70,1008 h50 r90